# Altium PCB PCB.PcbDoc (part 1 of 3) (continued)
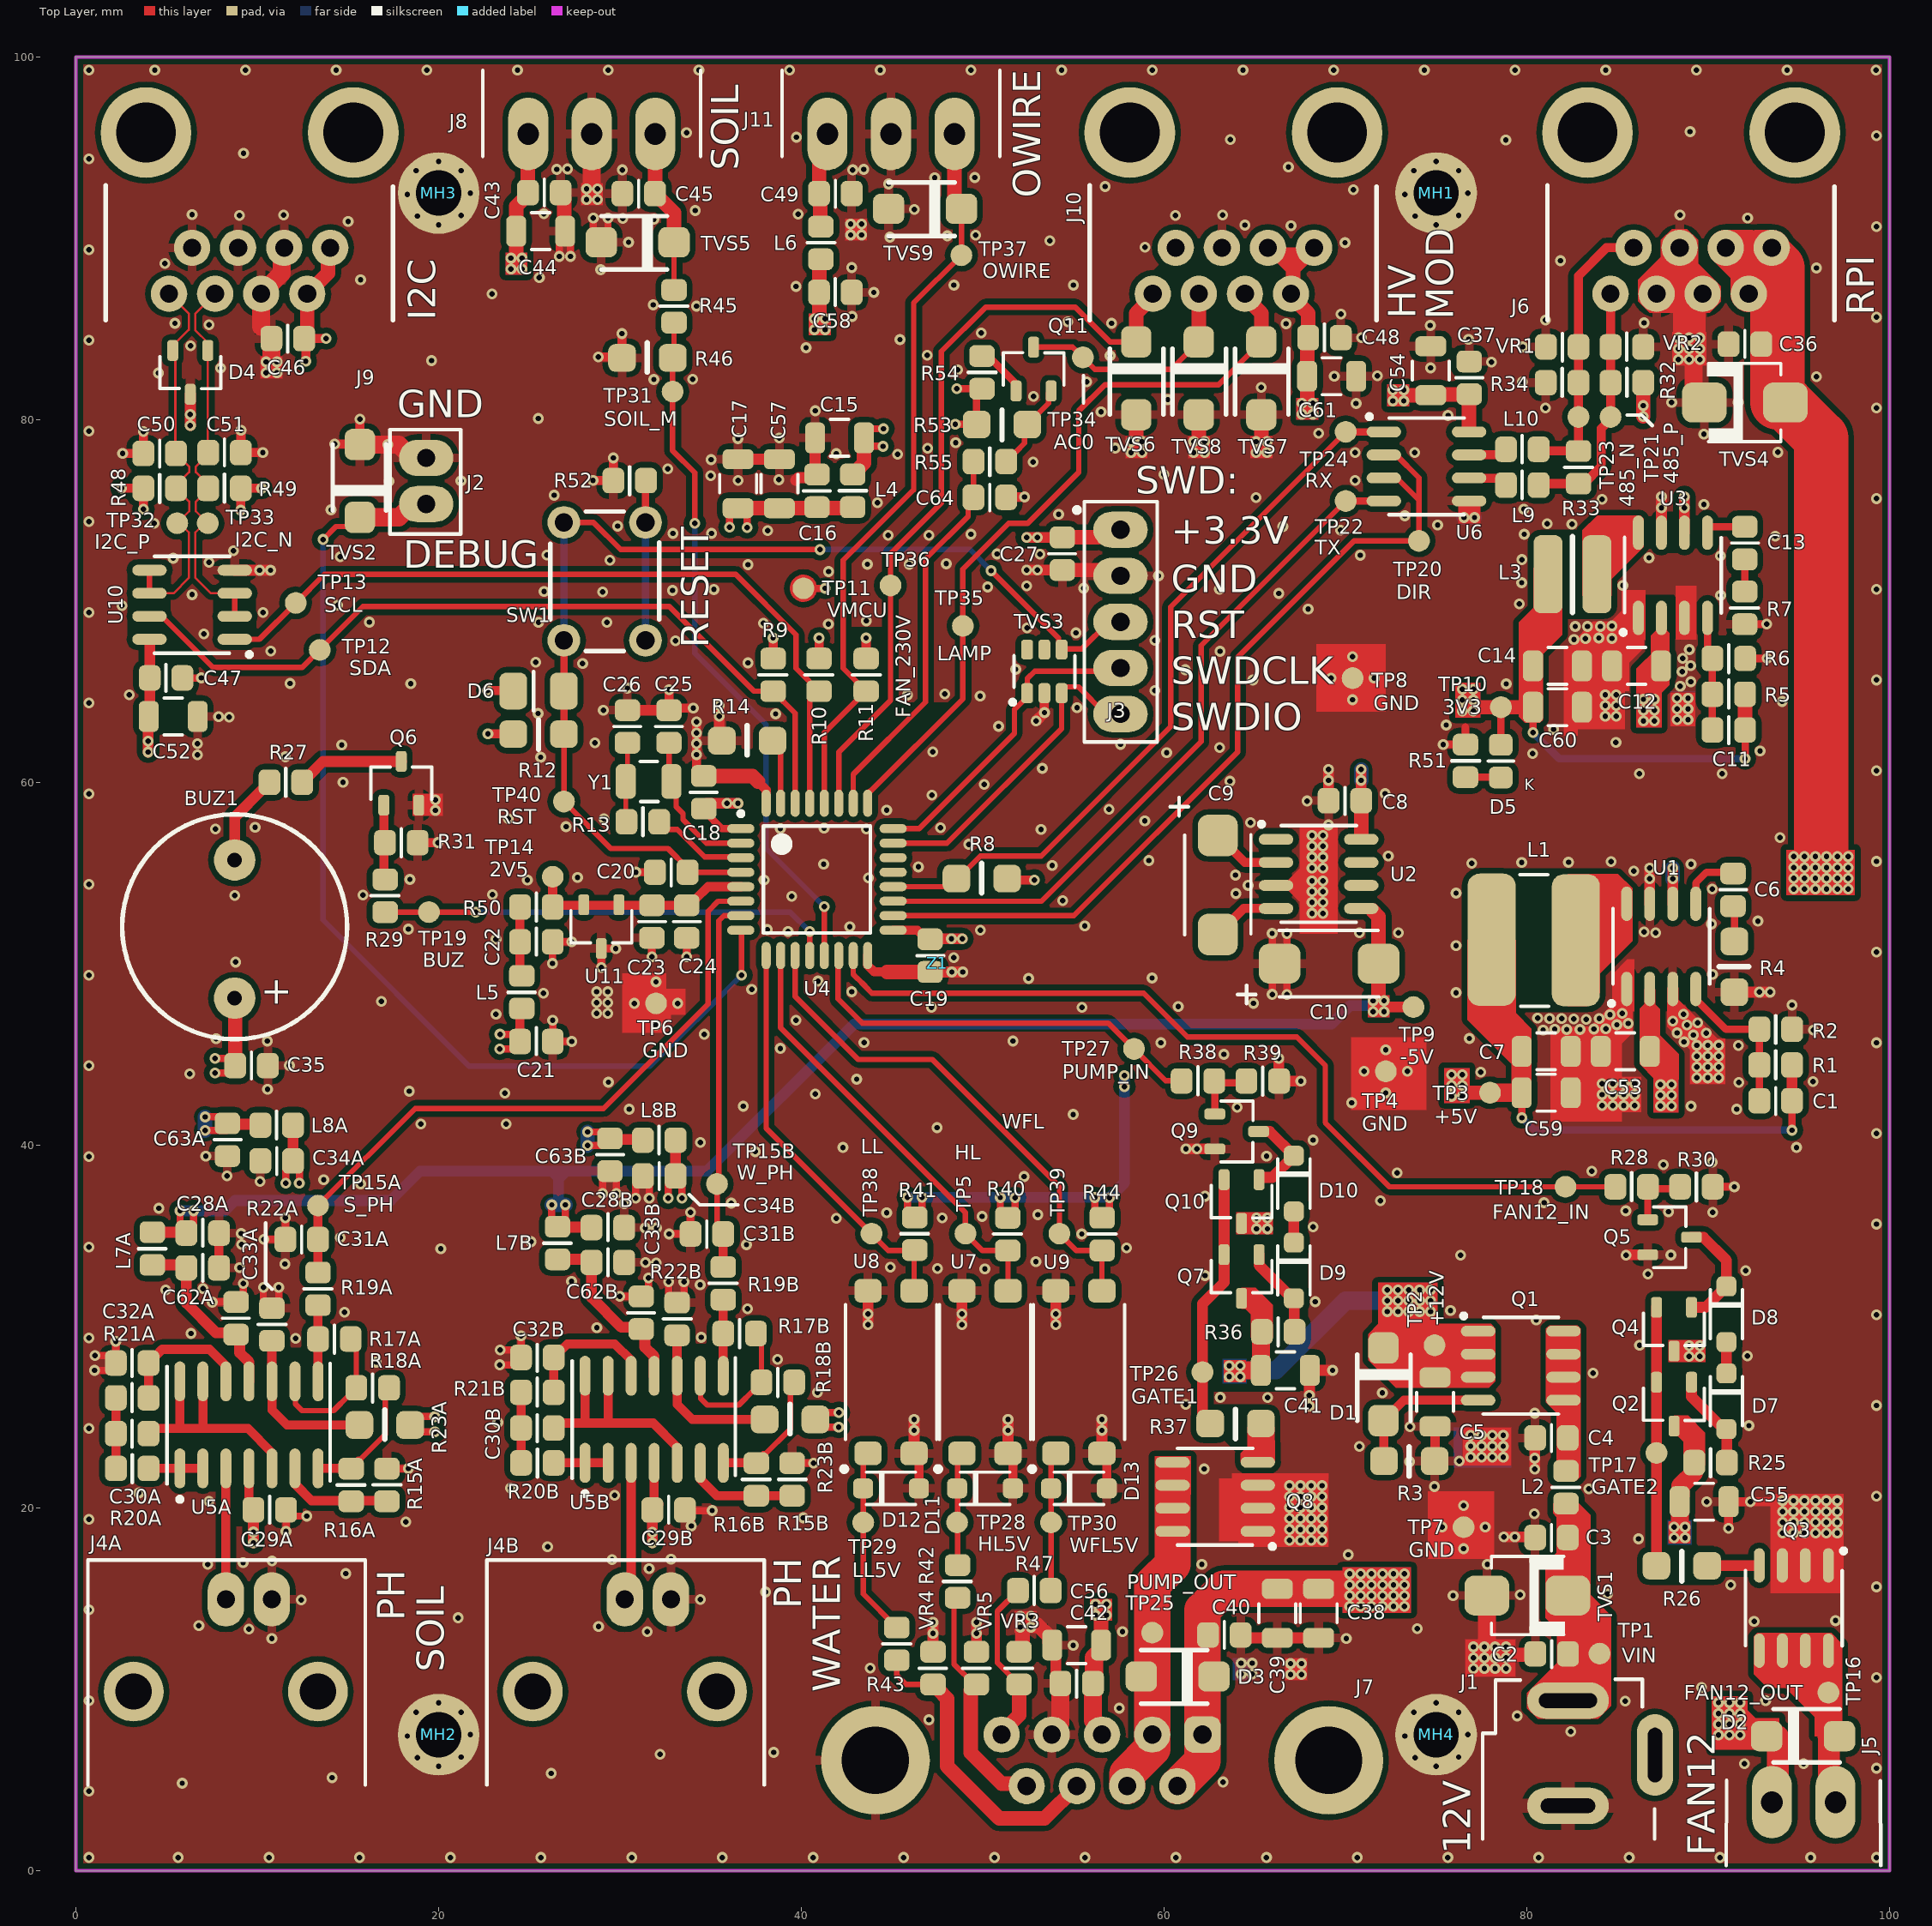
[diagram p0: Top Layer view]
## Design rules (kind name [scope] priority, off if disabled: settings)
Clearance [All] p1: gap=0.3 ignorepadtopadclearanceinfootprint=FALSE except(0.2: Arc-Arc Arc-Track Track-Track)
ComponentClearance [All] p1: gap=0 collisioncheckmode=3 verticalgap=0 showdistances=FALSE
DiffPairsRouting [All] p1: maxlimit=0.35 minlimit=0.25 mostfreqgap=0.25 toplayer_minwidth=0.1 toplayer_maxwidth=0.5 toplayer_prefwidth=0.3 bottomlayer_minwidth=0.1 bottomlayer_maxwidth=0.5 bottomlayer_prefwidth=0.3 maxuncoupledlength=12.7
Height [All] p1: minheight=0 maxheight=40 prefheight=12.7
HoleSize [All] p1: absolutevalues=TRUE maxlimit=3.81 minlimit=0.025 maxpercent=80.000 minpercent=20.000
HoleToHoleClearance [All] p1: gap=0.102 allowstackedmicrovias=TRUE
Length InNet('I2C_SDA') [InNet('I2C_SDA')] p1: maxlimit=80 minlimit=0
MaxMinImpedance "Schematic Impedance Constraint" [InNetClass('120ohm_diff_rs485')] p1: minimum=115,0 maximum=125,0
MinimumSolderMaskSliver [All] p1: minsoldermaskwidth=0.051
PlaneClearance [All] p1: clearance=0.3
PlaneConnect [All] p1: planeconnectstyle=Direct reliefexpansion=0.5 reliefentries=4 reliefconductorwidth=0.25 reliefairgap=0.25
PolygonConnect PolygonConnect_MH [HasFootprint('MH_M2.5')] p1: connectstyle=Direct reliefconductorwidth=0.254 reliefentries=4 polygonreliefangle="90 Angle" airgapwidth=0.254
PolygonConnect PolygonConnect_PowerConnector [HasFootprint('WE_WR_DC_694106301002')] p2: connectstyle=Relief reliefconductorwidth=0.8 reliefentries=4 polygonreliefangle="90 Angle" airgapwidth=0.3
PolygonConnect PolygonConnect_Track [IsTrack] p3: connectstyle=Direct reliefconductorwidth=0.254 reliefentries=4 polygonreliefangle="90 Angle" airgapwidth=0.254
PolygonConnect PolygonVia [IsVia] p4: connectstyle=Direct reliefconductorwidth=0.254 reliefentries=4 polygonreliefangle="90 Angle" airgapwidth=0.254
PolygonConnect [InNet('GND')] p5: connectstyle=Relief reliefconductorwidth=0.5 reliefentries=4 polygonreliefangle="90 Angle" airgapwidth=0.3
RoomDefinition "Power and supply" [InComponentClass('Power and supply')] p1: confinementstyle=ConfineIn formatcopy=TRUE lockcomponents=FALSE outline 31.27,-4.791 95.582,-4.791 95.582,75.803 31.27,75.803
RoomDefinition Irrigation [InComponentClass('Irrigation')] p2: confinementstyle=ConfineIn formatcopy=TRUE lockcomponents=FALSE outline 21.211,-8.804 72.443,-8.804 72.443,104.124 21.211,104.124
RoomDefinition "Differential I2C" [InComponentClass('Differential I2C')] p3: confinementstyle=ConfineIn formatcopy=TRUE lockcomponents=FALSE outline -0.533,62.443 19.075,62.443 19.075,105.435 -0.533,105.435
RoomDefinition boxer_main [InComponentClass('boxer_main')] p4: confinementstyle=ConfineIn formatcopy=TRUE lockcomponents=FALSE outline -22.528,-5.045 117.553,-5.045 117.553,105.089 -22.528,105.089
RoomDefinition STM32F030 [InComponentClass('STM32F030')] p5: confinementstyle=ConfineIn formatcopy=TRUE lockcomponents=FALSE outline 11.407,44.663 59.743,44.663 59.743,80.197 11.407,80.197
RoomDefinition "RS485 & Buzzer & FAN 12V" [InComponentClass('RS485 & Buzzer & FAN 12V')] p6: selectionmemoryflags=1 confinementstyle=ConfineIn formatcopy=TRUE lockcomponents=FALSE outline 1.094,-4.588 100.205,-4.588 100.205,104.124 1.094,104.124
RoomDefinition PHB [InComponentClass('PHB')] p7: selectionmemoryflags=1 confinementstyle=ConfineIn formatcopy=TRUE lockcomponents=FALSE outline 22.532,-18.583 41.887,-18.583 41.887,41.335 22.532,41.335
RoomDefinition PHA [InComponentClass('PHA')] p8: selectionmemoryflags=1 confinementstyle=ConfineIn formatcopy=TRUE lockcomponents=FALSE outline 0.536,-18.583 19.56,-18.583 19.56,42.148 0.536,42.148
RoutingVias [All] p1: holewidth=0.3 width=0.6 viastyle="Through Hole" minholewidth=0.25 minwidth=0.5 maxholewidth=0.3 maxwidth=0.6
SilkToSilkClearance [All] p1: silktosilkclearance=0.1
SilkToSolderMaskClearance [IsPad] p1: minsilkscreentomaskgap=0.2 clearancetoexposedcopper=TRUE
SolderMaskExpansion [All] p1: expansion=0.1
UnRoutedNet [All] p1: checkbadconnections=TRUE
Width [All] p1: maxlimit=5 minlimit=0.2 preferedwidth=0.25 minimp=50.000000 maximp=50.000000 favimp=50.000000
19 further rules are at their usual default settings.

## Classes and differential pairs
component class "Differential I2C": C46 C47 C50 C51 C52 D4 J9 R48 R49 TP32 TP33 U10
channel class boxer_pH: PHA PHB
net class PH_OUT[1..2]: PH_OUT1 PH_OUT2
component class PHB: C28B C29B C30B C31B C32B C33B C34B C62B C63B J4B L7B L8B R15B R16B R17B R18B R19B R20B R21B R22B R23B TP15B U5B
component class "Power and supply": C1 C2 C3 C4 C5 C6 C7 C8 C9 C10 C11 C12 C13 C14 C53 C59 C60 D1 D5 J1 L1 L2 L3 Q1 R1 R2 R3 R4 R5 R6 R7 R51 TP1 TP2 TP3 TP4 TP6 TP7 TP8 TP9 TP10 TVS1 U1 U2 U3
component class STM32F030: C15 C16 C17 C18 C19 C20 C21 C22 C23 C24 C25 C26 C27 C57 D6 J2 J3 L4 L5 R8 R9 R10 R11 R12 R13 R14 R50 R52 SW1 TP11 TP12 TP13 TP14 TP40 TVS2 TVS3 U4 U11 Y1
component class Irrigation: C38 C39 C40 C41 C42 C43 C44 C45 C56 D3 D9 D10 D11 D12 D13 J7 J8 P6 Q7 Q8 Q9 Q10 R36 R37 R38 R39 R40 R41 R42 R43 R44 R45 R46 R47 TP5 TP25 TP26 TP27 TP28 TP29 TP30 TP31 TP38 TP39 TVS5 U7 U8 U9 VR3 VR4 VR5
component class boxer_main: C48 C49 C58 C61 C64 J10 J11 L6 MH1 MH2 MH3 MH4 P7 P9 Q11 R53 R54 R55 TP34 TP35 TP36 TP37 TVS6 TVS7 TVS8 TVS9 Z1
component class PHA: C28A C29A C30A C31A C32A C33A C34A C62A C63A J4A L7A L8A R15A R16A R17A R18A R19A R20A R21A R22A R23A TP15A U5A
component class "RS485 & Buzzer & FAN 12V": BUZ1 C35 C36 C37 C54 C55 D2 D7 D8 J5 J6 L9 L10 Q2 Q3 Q4 Q5 Q6 R25 R26 R27 R28 R29 R30 R31 R32 R33 R34 TP16 TP17 TP18 TP19 TP20 TP21 TP22 TP23 TP24 TVS4 U6 VR1 VR2
net class 120ohm_diff_rs485: RS485_D_N RS485_D_P RS485_N RS485_P
differential pair I2C: +I2C_P -I2C_N
differential pair RS485: +RS485_P -RS485_N
differential pair RS485_D: +RS485_D_P -RS485_D_N

## Components (designator, comment, footprint, x,y, rotation, side; value= is the part's Value field where it differs from the comment)
BUZ1 "BMT-1203UX" "BUZZER 7.6MM" 8.757,52.044 r90 top
C1 "885012207081" C_0805 93.72,42.453 r0 top value=150p
C2 "Capacitor" C_0805 81.367,11.957 r0 top value=100n
C3 "Capacitor" C_0805 81.356,18.371 r0 top value=100n
C4 "Capacitor" C_0805 81.356,23.863 r0 top value=100n
C5 "TME: CL31A226MOCLNNC" C_1206 74.94,25.85 r90 top value=22u
C6 "885012207089" C_0805 91.369,54.084 r90 top value=3n9
C7 "TME: CL31A226MOCLNNC" C_1206 81.067,45.172 r180 top value=22u
C8 "Capacitor" C_0805 69.969,58.997 r0 top value=100n
C9 "TAJC106K016R" C_SMC 62.962,54.349 r270 top value=10u
C10 "TAJC106K016R" C_SMC 69.098,50.012 r0 top value=10u
C11 "885012207081" C_0805 91.133,62.895 r0 top value=150p
C12 "TME: CL31A226MOCLNNC" C_1206 86.047,66.427 r0 top value=22u
C13 "885012207091" C_0805 92.011,73.199 r90 top value=6n8
C14 "TME: CL31A226MOCLNNC" C_1206 81.688,66.427 r180 top value=22u
C15 "Capacitor" C_1206 42.106,79.003 r0 top value=10u
C16 "Capacitor" C_0805 40.861,76.081 r270 top value=100n
C17 "TME: CL31A226MOCLNNC" C_1206 36.512,76.473 r270 top value=10u
C18 "Capacitor" C_0805 34.623,59.457 r270 top value=100n
C19 "Capacitor" C_0805 47.098,50.455 r90 top value=100n
C20 "Capacitor" C_0805 32.826,55.055 r0 top value=100n
C21 "Capacitor" C_0805 25.391,45.721 r180 top value=100n
C22 "Capacitor" C_0805 25.391,51.213 r180 top value=10n
C23 "C0805C105K4RACAUTO" C_0805 31.758,52.332 r90 top value=1u
C24 "Capacitor" C_0805 33.679,52.332 r90 top value=10n
C25 "490-14443-1-ND" C_0805 32.702,63.088 r270 top value=14p
C26 "490-14443-1-ND" C_0805 30.411,63.088 r270 top value=14p
C27 "Capacitor" C_0805 54.392,72.615 r270 top value=100n
C28A "Capacitor" C_0805 6.993,35.156 r180 top value=100n (schematic designator C28)
C28B "Capacitor" C_0805 29.333,35.461 r180 top value=100n (schematic designator C28)
C29A "Capacitor" C_0805 10.688,19.895 r180 top value=100n (schematic designator C29)
C29B "Capacitor" C_0805 32.682,19.889 r180 top value=100n (schematic designator C29)
C30A "Capacitor" C_0805 3.103,24.101 r0 top value=100n (schematic designator C30)
C30B "Capacitor" C_0805 25.444,24.406 r0 top value=100n (schematic designator C30)
C31A "Capacitor" C_0805 12.45,34.804 r0 top value=10n (schematic designator C31)
C31B "Capacitor" C_0805 34.791,35.109 r0 top value=10n (schematic designator C31)
C32A "Capacitor" C_0805 3.103,27.994 r0 top value=100n (schematic designator C32)
C32B "Capacitor" C_0805 25.444,28.298 r0 top value=100n (schematic designator C32)
C33A "Capacitor" C_0805 8.834,30.457 r270 top value=100n (schematic designator C33)
C33B "Capacitor" C_0805 31.174,30.762 r270 top value=100n (schematic designator C33)
C34A "Capacitor" C_0805 11.074,39.135 r0 top value=100n (schematic designator C34)
C34B "Capacitor" C_0805 32.167,38.306 r0 top value=100n (schematic designator C34)
C35 "Capacitor" C_0805 9.683,44.392 r180 top value=100n
C36 "Capacitor" C_0805 92.023,84.169 r180 top value=100n
C37 "Capacitor" C_0805 76.824,82.309 r90 top value=100n
C38 "TME: CL31A226MOCLNNC" C_1206 68.521,14.192 r90 top value=22u
C39 "TME: CL31A226MOCLNNC" C_1206 66.244,14.192 r90 top value=22u
C40 "Capacitor" C_0805 63.322,12.998 r180 top value=100n
C41 "TME: CL31A226MOCLNNC" C_1206 66.685,27.587 r0 top value=10u
C42 "Capacitor" C_0805 55.179,10.323 r0 top value=100n
C43 "Capacitor" C_0805 25.826,92.521 r180 top value=100n
C44 "TME: CL31A226MOCLNNC" C_1206 25.624,90.397 r180 top value=10u
C45 "Capacitor" C_0805 31.03,92.47 r0 top value=100n
C46 "Capacitor" C_0805 11.686,84.474 r0 top value=100n
C47 "Capacitor" C_0805 4.973,65.765 r180 top value=100n
C48 "Capacitor" C_0805 68.844,84.522 r180 top value=100n
C49 "Capacitor" C_0805 41.876,92.47 r0 top value=100n
C50 "Capacitor" C_0805 4.619,78.14 r0 top value=DNI
C51 "Capacitor" C_0805 8.197,78.191 r180 top value=DNI
C52 "Capacitor" C_1206 5.365,63.641 r180 top value=10u
C53 "TME: CL31A226MOCLNNC" C_1206 85.427,45.172 r0 top value=22u
C54 "TME: CL31A226MOCLNNC" C_1206 74.7,82.705 r270 top value=10u
C55 "TME: CL31A226MOCLNNC" C_1206 89.776,20.345 r0 top value=10u
C56 "TME: CL31A226MOCLNNC" C_1206 55.179,12.439 r180 top value=10u
C57 "TME: CL31A226MOCLNNC" C_1206 38.788,76.473 r90 top value=10u
C58 "C0805C105K4RACAUTO" C_0805 41.874,87.023 r180 top value=1u
C59 "TME: CL31A226MOCLNNC" C_1206 81.067,42.895 r180 top value=22u
C60 "TME: CL31A226MOCLNNC" C_1206 81.688,64.15 r180 top value=22u
C61 "Capacitor" C_1206 69.236,82.398 r180 top value=10u
C62A "Capacitor" C_0805 6.993,33.236 r180 top value=100n (schematic designator C62)
C62B "Capacitor" C_0805 29.333,33.54 r180 top value=100n (schematic designator C62)
C63A "Capacitor" C_0805 8.354,40.304 r90 top value=100n (schematic designator C63)
C63B "Capacitor" C_0805 29.447,39.476 r90 top value=100n (schematic designator C63)
C64 "Capacitor" C_0805 50.39,75.722 r0 top value=10n
D1 "MM3Z5V6B" D_SMA 72.095,26.822 r90 top value=5V6
D2 "SS110-TP" D_SMA 95.23,7.418 r180 top
D3 "SS110-TP" D_SMA 60.745,10.712 r0 top
D4 "BAT54A" SOT-23 6.309,82.601 r270 top
D5 "KP-2012LSGC" LED_0805 78.565,61.177 r270 top value=GREEN
D6 "SS110-TP" D_1206 25.512,65.043 r180 top
D7 "FM4001-LGE" SOD123F 91.005,25.883 r90 top
D8 "FM4001-LGE" SOD123F 91.005,30.683 r90 top
D9 "FM4001-LGE" SOD123F 67.157,33.095 r90 top
D10 "FM4001-LGE" SOD123F 67.157,37.886 r90 top
D11 "FM4001-LGE" SOD123F 50.124,21.082 r180 top
D12 "FM4001-LGE" SOD123F 44.944,21.082 r180 top
D13 "FM4001-LGE" SOD123F 55.304,21.082 r180 top
J1 "PWR2.5" WE_WR_DC_694106301002 82.267,-4.22 r180 top locked
J2 "Header 2.54mm" "HEADER 2.54MM 2PIN" 19.314,76.625 r90 top value=HDR2
J3 "Header 2.54mm" "HEADER 2.54MM 5PIN" 57.597,68.854 r270 top value=HDR5
J4A "1-1634612-0" 1-1634612-0 8.267,12.419 r90 top locked (schematic designator J4)
J4B "1-1634612-0" 1-1634612-0 30.267,12.419 r90 top locked (schematic designator J4)
J5 "284512-2" 284512-2 95.267,3.78 r180 top locked
J6 "54601-908WPLF" RJ45_54601-908WPLF 93.506,89.481 r180 top locked
J7 "DS1037-09FNAKT74" DB9 56.577,6.088 r180 top locked
J8 "EBQA-03-D-C" 284512-3 28.441,95.756 r0 top locked
J9 "54601-908WPLF" RJ45_54601-908WPLF 14.026,89.481 r180 top locked
J10 "54601-908WPLF" RJ45_54601-908WPLF 68.266,89.481 r180 top locked
J11 "EBQA-03-D-C" 284512-3 44.941,95.756 r0 top locked
L1 "308-1500-1-ND" L_6.7X6.7MM 80.381,51.314 r180 top value=7u3
L2 "742792031" L_0805 82.158,21.141 r90 top value=300@100M
L3 "732-1008-1-ND" L_3.8X3.8MM 82.517,71.481 r180 top value=4u7
L4 "742792031" L_0805 42.833,76.081 r270 top value=300@100M
L5 "742792031" L_0805 24.589,48.44 r90 top value=300@100M
L6 "742792031" L_0805 41.072,89.746 r270 top value=300@100M
L7A "742792031" L_0805 4.219,34.304 r90 top value=300@100M (schematic designator L7)
L7B "742792031" L_0805 26.56,34.609 r90 top value=300@100M (schematic designator L7)
L8A "742792031" L_0805 11.074,41.106 r0 top value=300@100M (schematic designator L8)
L8B "742792031" L_0805 32.167,40.278 r0 top value=300@100M (schematic designator L8)
L9 "742792031" L_0805 79.752,76.397 r0 top value=300@100M
L10 "742792031" L_0805 79.752,78.368 r0 top value=300@100M
MH1 "Mounting hole" MH_M2.5 75,92.5 r0 top
MH2 "Mounting hole" MH_M2.5 20,7.5 r0 top
MH3 "Mounting hole" MH_M2.5 20,92.5 r0 top
MH4 "Mounting hole" MH_M2.5 75,7.5 r0 top
Q1 "SI4431CDY-T1-GE3" SO8 79.665,27.845 r0 top
Q2 "BC817-40-DIO" SOT-23 88.114,25.713 r270 top
Q3 "IRF8721TRPBF" SO8 94.722,14.484 r270 top
Q4 "BC807-40.215" SOT-23 88.114,29.844 r270 top
Q5 "BC817-40-DIO" SOT-23 87.884,34.925 r0 top
Q6 "BC817-40-DIO" SOT-23 17.943,59.967 r90 top
Q7 "BC817-40-DIO" SOT-23 64.271,32.752 r270 top
Q8 "IRF8721TRPBF" SO8 62.818,20.619 r180 top
Q9 "BC817-40-DIO" SOT-23 64.017,40.759 r0 top
Q10 "BC807-40.215" SOT-23 64.271,36.883 r270 top
Q11 "2N7002-7-F" SOT-23 52.805,82.809 r90 top
R1 "RNCP0805FTD24K9" R_0805 93.72,44.424 r0 top value=24k9
R2 "RNCP0805FTD4K75" R_0805 93.723,46.396 r180 top value=4k75
R3 "Resistor" R_1206 73.518,22.589 r180 top value=10k
R4 "Resistor" R_1206 91.445,49.841 r90 top value=10k
R5 "RNCP0805FTD24K9" R_0805 91.133,64.866 r0 top value=24k9
R6 "RC0805FR-077K87L" R_0805 91.137,66.838 r180 top value=7k87
R7 "RMCF0805FT4K99" R_0805 92.011,69.627 r90 top value=4k99
R8 "Resistor" R_1206 49.947,54.705 r0 top value=10k
R9 "Resistor" R_0805 38.443,65.935 r90 top value=2k2
R10 "Resistor" R_0805 40.973,65.935 r90 top value=2k2
R11 "Resistor" R_0805 43.571,65.935 r270 top value=4k7
R12 "Resistor" R_1206 25.512,62.665 r180 top value=10k
R13 "Resistor" R_0805 31.26,57.835 r0 top value=75R
R14 "Resistor" R_1206 37.013,62.304 r0 top value=10k
R15A "Resistor" R_0805 17.151,21.272 r270 top value=4k7 (schematic designator R15)
R15B "Resistor" R_0805 39.491,21.577 r270 top value=4k7 (schematic designator R15)
R16A "Resistor" R_0805 15.179,21.269 r90 top value=4k7 (schematic designator R16)
R16B "Resistor" R_0805 37.52,21.574 r90 top value=4k7 (schematic designator R16)
R17A "Resistor" R_0805 14.253,29.316 r180 top value=18k (schematic designator R17)
R17B "Resistor" R_0805 36.594,29.621 r180 top value=18k (schematic designator R17)
R18A "Resistor" R_0805 16.362,26.623 r180 top value=15k (schematic designator R18)
R18B "Resistor" R_0805 38.703,26.928 r180 top value=15k (schematic designator R18)
R19A "Resistor" R_0805 13.353,32.081 r90 top value=33R (schematic designator R19)
R19B "Resistor" R_0805 35.694,32.386 r90 top value=33R (schematic designator R19)
R20A "Resistor" R_0805 3.106,22.18 r180 top value=220k (schematic designator R20)
R20B "Resistor" R_0805 25.447,22.485 r180 top value=220k (schematic designator R20)
R21A "Resistor" R_0805 3.103,26.073 r0 top value=220k (schematic designator R21)
R21B "Resistor" R_0805 25.444,26.378 r0 top value=220k (schematic designator R21)
R22A "Resistor" R_0805 10.805,30.118 r270 top value=1k (schematic designator R22)
R22B "Resistor" R_0805 33.146,30.423 r270 top value=1k (schematic designator R22)
R23A "Resistor" R_1206 17.033,24.576 r0 top value=10k (schematic designator R23)
R23B "Resistor" R_1206 39.374,24.88 r0 top value=10k (schematic designator R23)
R25 "Resistor" R_0805 90.132,22.504 r180 top value=2k2
R26 "Resistor" R_1206 88.544,16.815 r180 top value=470
R27 "Resistor" R_0805 11.578,60.013 r180 top value=220
R28 "Resistor" R_0805 85.776,37.709 r0 top value=15k
R29 "Resistor" R_0805 17.057,53.754 r90 top value=15k
R30 "Resistor" R_0805 89.351,37.709 r180 top value=150k
R31 "Resistor" R_0805 17.943,56.686 r180 top value=150k
R32 "Resistor" R_0805 85.516,82.045 r0 top value=3k3
R33 "Resistor" R_0805 82.844,77.376 r270 top value=120
R34 "Resistor" R_0805 81.944,82.045 r0 top value=3k3
R36 "Resistor" R_0805 66.294,29.718 r180 top value=2k2
R37 "Resistor" R_1206 63.941,24.653 r180 top value=470
R38 "Resistor" R_0805 61.865,43.544 r0 top value=15k
R39 "Resistor" R_0805 65.44,43.544 r180 top value=150k
R40 "Resistor" R_0805 51.379,35.101 r90 top value=2k2
R41 "Resistor" R_0805 46.253,35.121 r90 top value=2k2
R42 "Resistor" R_0805 48.616,15.951 r90 top value=2k2
R43 "Resistor" R_0805 45.263,12.508 r90 top value=2k2
R44 "Resistor" R_0805 56.591,35.103 r90 top value=4k7
R45 "Resistor" R_0805 32.981,86.258 r90 top value=2k
R46 "Resistor" R_1206 31.507,83.412 r0 top value=10k
R47 "Resistor" R_0805 52.842,15.444 r0 top value=2k2
R48 "Resistor" R_0805 4.623,76.219 r180 top value=330
R49 "Resistor" R_0805 8.194,76.219 r0 top value=330
R50 "Resistor" R_0805 25.391,53.134 r180 top value=300R
R51 "Resistor" R_0805 76.618,61.192 r270 top value=820
R52 "Resistor" R_0805 30.535,76.648 r180 top value=300R
R53 "Resistor" R_1206 51.064,79.742 r180 top value=10k
R54 "Resistor" R_0805 49.962,82.612 r270 top value=1k
R55 "Resistor" R_0805 50.393,77.694 r180 top value=100R
SW1 "TACT-64N-F" SPST_NO_1301 29.159,71.087 r270 top
TP1 "TEST PAD" PIN 84.009,11.97 r90 top
TP2 "TEST PAD" PIN 74.915,28.971 r90 top
TP3 "TEST PAD" PIN 77.968,42.895 r270 top
TP4 "TEST PAD" PIN 72.222,44.077 r90 top
TP5 "TEST PAD" PIN 49.049,35.128 r90 top
TP6 "TEST PAD" PIN 31.989,47.821 r0 top
TP7 "TEST PAD" PIN 76.515,18.942 r90 top
TP8 "TEST PAD" PIN 70.394,65.754 r90 top
TP9 "TEST PAD" PIN 73.746,47.618 r270 top
TP10 "TEST PAD" PIN 78.571,64.15 r180 top
TP11 "TEST PAD" PIN 40.117,70.707 r0 top
TP12 "TEST PAD" PIN 13.447,67.31 r180 top
TP13 "TEST PAD" PIN 12.126,69.901 r90 top
TP14 "TEST PAD" PIN 26.291,54.801 r90 top
TP15A "TEST PAD" PIN 13.353,36.671 r90 top (schematic designator TP15)
TP15B "TEST PAD" PIN 35.347,37.865 r90 top (schematic designator TP15)
TP16 "TEST PAD" PIN 96.627,9.823 r90 top
TP17 "TEST PAD" PIN 87.149,23.034 r180 top
TP18 "TEST PAD" PIN 82.128,37.709 r270 top
TP19 "TEST PAD" PIN 19.467,52.854 r180 top
TP20 "TEST PAD" PIN 74.051,73.323 r0 top
TP21 "TEST PAD" PIN 84.616,80.156 r0 top
TP22 "TEST PAD" PIN 70.013,75.521 r0 top
TP23 "TEST PAD" PIN 82.848,80.156 r0 top
TP24 "TEST PAD" PIN 70.013,79.331 r0 top
TP25 "TEST PAD" PIN 59.348,13.125 r90 top
TP26 "TEST PAD" PIN 62.117,27.493 r90 top
TP27 "TEST PAD" PIN 58.344,45.311 r90 top
TP28 "TEST PAD" PIN 48.588,19.202 r90 top
TP29 "TEST PAD" PIN 43.409,19.202 r90 top
TP30 "TEST PAD" PIN 53.768,19.202 r90 top
TP31 "TEST PAD" PIN 32.904,81.553 r90 top
TP32 "TEST PAD" PIN 5.588,74.295 r180 top
TP33 "TEST PAD" PIN 7.275,74.295 r180 top
TP34 "TEST PAD" PIN 55.522,83.439 r90 top
TP35 "TEST PAD" PIN 48.905,68.631 r90 top
TP36 "TEST PAD" PIN 44.917,70.866 r90 top
TP37 "TEST PAD" PIN 48.824,89.071 r90 top
TP38 "TEST PAD" PIN 43.869,35.128 r90 top
TP39 "TEST PAD" PIN 54.229,35.128 r90 top
TP40 "TEST PAD" PIN 26.909,58.951 r90 top
TVS1 "SM6T15CA" D_SMB 80.028,15.17 r0 top value=15V
TVS2 "SMAJ5.0ALFCT-ND" D_SMA 15.662,76.625 r270 top value=5V
TVS3 "TPD4E1U06DBVR" SOT23-6 53.401,66.126 r90 top
TVS4 "SM6T15CA" D_SMB 92.022,80.953 r180 top value=15V
TVS5 "SMAJ5.0ALFCT-ND" D_SMA 30.974,89.783 r0 top value=5V
TVS6 "SMAJ5.0ALFCT-ND" D_SMA 58.46,82.287 r90 top value=5V
TVS7 "SMAJ5.0ALFCT-ND" D_SMA 65.36,82.287 r90 top value=5V
TVS8 "SMAJ5.0ALFCT-ND" D_SMA 61.91,82.287 r90 top value=5V
TVS9 "SMAJ5.0ALFCT-ND" D_SMA 46.818,91.627 r0 top value=5V
U1 "NCP3170ADR2G" SO8 87.412,50.963 r90 top
U2 "TC1044SEOA" SO8 68.519,54.959 r0 top
U3 "NCP3170ADR2G" SO8 88.054,71.424 r90 top
U4 "STM32F030K6T6" LQFP-32 40.861,54.655 r0 top
U5A "LMC6044IM/NOPB" SO14 5.733,22.18 r90 top (schematic designator U5)
U5B "LMC6044IM/NOPB" SO14 28.074,22.485 r90 top (schematic designator U5)
U6 "ST3485ECDR" SO8 74.466,77.426 r0 top
U7 "LTV-815S" SO4 50.124,27.493 r180 top
U8 "LTV-815S" SO4 44.944,27.493 r180 top
U9 "LTV-815S" SO4 55.304,27.493 r180 top
U10 "PCA9600D" SO8 6.411,69.799 r180 top
U11 "AP431SAN1TR-G1" SOT-23 28.973,52.042 r270 top
VR1 "AMCV-0805-260-C800N-T" VR_0805 81.948,84.016 r180 top value=26V
VR2 "AMCV-0805-260-C800N-T" VR_0805 85.516,84.016 r0 top value=26V
VR3 "AMCV-0805-260-C800N-T" VR_0805 52.004,11.172 r90 top value=6V
VR4 "AMCV-0805-260-C800N-T" VR_0805 47.259,11.172 r90 top value=6V
VR5 "AMCV-0805-260-C800N-T" VR_0805 49.651,11.172 r90 top value=6V
Y1 "7A-8.000MAAE-T" CFPX_217 31.579,60.061 r180 top value=8MHz
Z1 "Gainta G706" "GAINTA G706" 47.517,50.026 r180 top locked

## Footprints (in the part's own frame and the unit in brackets; to place one, negate y for a bottom-side part, rotate by r counter-clockwise, add the part's x,y. Pads: shape width x height; smd on the part's side, far side on the other; paste and mask are expansions set on the pad)
1-1634612-0 [mm] "Connector; BNC Elbow"
  oval 3x2 hole 1: 1(2.54,0) 2(2.54,-2.54)
  round 3.3 hole 2: 3(-2.54,5.08) 4(-2.54,-5.08)
  silkscreen extent -7.68,-7.69 4.72,7.61, body extent -30.94,-7.35 4.57,7.35, height 15.75
284512-2 [mm] "Terminal Block 3.5mm 2-pin ,11A, 300V"
  oval 2.2x4 hole 1.2: 1(-1.75,0) 2(1.75,0)
  silkscreen extent -4.25,-1.2 4.28,3.5, body extent -4.5,-1.2 4.5,8, height 7.25
284512-3 [mm] "Terminal Block 3.5mm 3-pin ,11A, 300V"
  oval 2.2x4 hole 1.2: 1(-3.5,0) 2(0,0) 3(3.5,0)
  silkscreen extent -6,-1.22 6,3.5, body extent -6.25,-1.2 6.25,8, height 7.25
"BUZZER 7.6MM" [mil]
  round 90 hole 31.5: 1(-155,0) 2(145,0)
  silkscreen extent -244,-244 244,244, body extent -236,-237 236,235, height 374
C_0805 [mm] "Chip Capacitor, Body 2.0x1.3mm, IPC High Density"
  rrect50% 1.2x1.4 smd: 1(-0.9,0) 2(0.9,0)
  silkscreen extent 0,-0.75 0,0.72, body extent -1.01,-0.62 0.99,0.63, height 0.8
C_1206 [mm] "Chip Capacitor, Body 3.2x1.6mm, IPC High Density"
  rrect50% 1.1x1.7 smd: 1(-1.35,0) 2(1.35,0)
  silkscreen extent -0.51,-1.02 0.51,1.02, body extent -1.6,-0.8 1.6,0.8, height 1
C_SMC [mil] "TAJ Series Standard Tantalum"
  rrect50% 90x86 smd: 1(-107.5,0) 2(107.5,0)
  silkscreen extent -109,-72 108,72, body extent -121,-66 120,66, height 106
CFPX_217 [mm] "3.2 x 1.5mm SMD crystal"
  rrect50% 1.1x1.9 smd: 1(-1.257,0) 2(1.257,0)
  silkscreen extent -0.51,-1.09 0.46,1.12, body extent -1.57,-0.76 1.65,0.76, height 0.91
D_1206 [mil]
  rrect50% 60x80 smd: 1(-55,0) 2(55,0)
  silkscreen extent 11,-42 11,43, body extent -66,-34 66,34, height 33
D_SMA [mm]
  rrect50% 1.73x1.67 smd: 1(-2.007,0) 2(2.007,0)
  silkscreen extent -2.01,-1.5 1.63,1.45, body extent -2.55,-1.38 2.45,1.32, height 2.28
D_SMB [mil]
  rrect50% 97x87 smd: 1(-88,0) 2(88,0)
  silkscreen extent -78,-87 82,85, body extent -107,-76 109,77, height 96
DB9 [mm]
  rrect50% 2x2 hole 1: 1(-5.54,-1.42)
  round 2 hole 1: 2(-2.77,-1.42) 3(0,-1.42) 4(2.77,-1.42) 5(5.54,-1.42) 6(-4.155,1.42) 7(-1.385,1.42) 8(1.385,1.42) 9(4.155,1.42)
  round 6 hole 3.7: 10(-12.495,0) 11(12.495,0)
  body extent -15.19,-2.18 15.31,14.52, height 12.45
"GAINTA G706" [mm]
  body extent -69.98,-55 69.98,55, height 26.3
"HEADER 2.54MM 2PIN" [mm]
  oval 2x3 hole 1: 1(-1.27,0) 2(1.27,0)
  silkscreen extent -2.93,-1.9 2.83,2, body extent -2.54,-1.27 2.54,1.27, height 8.57
"HEADER 2.54MM 5PIN" [mm] "Connector; Header; 5 Position"
  oval 2x3 hole 1: 1(-5.08,0) 2(-2.54,0) 3(0,0) 4(2.54,0) 5(5.08,0)
  silkscreen extent -6.63,-2 6.63,2.02, body extent -6.35,-1.27 6.35,1.27, height 8.57
L_3.8X3.8MM [mm] "0.150\" L x 0.150\" W (3.80mm x 3.80mm)"
  rrect50% 1.6x4.3 smd: 1(-1.35,0.002) 2(1.35,-0.002)
  silkscreen extent 0,-2.08 0,2.11, body extent -1.92,-1.89 1.88,1.91, height 1.65
L_6.7X6.7MM [mm] "0.264\" L x 0.264\" W (6.70mm x 6.70mm)"
  rrect50% 2.65x7.3 smd: 1(-2.324,0.013) 2(2.324,-0.013)
  Top Layer pour cut-out: 0.037,2.687 -0.996,2.482 -1.872,1.896 -2.458,1.021 -2.663,-0.013 -2.663,-0.013 -2.458,-1.046 -1.872,-1.922 -0.996,-2.507 0.037,-2.713 0.037,-2.713 1.07,-2.507 1.946,-1.922 2.531,-1.046 2.737,-0.013 2.737,-0.013 2.531,1.021 1.946,1.896 1.07,2.482 0.037,2.687
  silkscreen extent -0.81,-3.61 0.76,3.66, body extent -3.35,-3.35 3.35,3.35, height 2.9
L_0805 [mm] "Chip Inductor Body 2.0x1.2mm, IPC Medium Density"
  rrect50% 1.2x1.4 smd: 1(-0.9,0) 2(0.9,0)
  silkscreen extent -0.01,-0.74 -0.01,0.76, body extent -1.01,-0.63 0.99,0.57, height 0.95
LED_0805 [mm] "LED; SMD; 0805;"
  rrect50% 1.2x1.3 smd: 1(-0.9,0) 2(0.9,0)
  silkscreen extent 0,-0.69 0,0.69, body extent -1,-0.62 1,0.63, height 1.1
LQFP-32 [mm] "Thin QFP, 32-Leads, Body 7x7mm, Pitch 0.8mm, IPC Medium Density"
  oval 1.5x0.5 smd: 1(-4.2,2.8) 2(-4.2,2) 3(-4.2,1.2) 4(-4.2,0.4) 5(-4.2,-0.4) 6(-4.2,-1.2) 7(-4.2,-2) 8(-4.2,-2.8) 17(4.2,-2.8) 18(4.2,-2) 19(4.2,-1.2) 20(4.2,-0.4) 21(4.2,0.4) 22(4.2,1.2) 23(4.2,2) 24(4.2,2.8)
  oval 0.5x1.5 smd: 9(-2.8,-4.2) 10(-2,-4.2) 11(-1.2,-4.2) 12(-0.4,-4.2) 13(0.4,-4.2) 14(1.2,-4.2) 15(2,-4.2) 16(2.8,-4.2) 25(2.8,4.2) 26(2,4.2) 27(1.2,4.2) 28(0.4,4.2) 29(-0.4,4.2) 30(-1.2,4.2) 31(-2,4.2) 32(-2.8,4.2)
  silkscreen extent -4.32,-2.95 2.95,3.75, body extent -4.57,-4.57 4.57,4.57, height 1.62
MH_M2.5 [mm] "M2.5"
  round 4.5 hole 2.5: MH(0,0)
PIN [mm] "Test Pad"
  round 1.2 smd: 1(0,0)
R_0805 [mm] "Chip Resistor, Body 2.0x1.2mm, IPC Medium Density"
  rrect50% 1.2x1.4 smd: 1(-0.9,0) 2(0.9,0)
  silkscreen extent 0,-0.75 0,0.77, body extent -1.16,-0.67 1.14,0.68, height 0.76
R_1206 [mil]
  rrect50% 60x60 smd: 1(-55,0) 2(55,0)
  silkscreen extent 0,-31 0,33, body extent -62,-31 64,32, height 22
RJ45_54601-908WPLF [mm]
  round 2 hole 1: 1(0,0) 2(1.27,2.54) 3(2.54,0) 4(3.81,2.54) 5(5.08,0) 6(6.35,2.54) 7(7.62,0) 8(8.89,2.54)
  round 5 hole 3.3 unplated: MH2(-1.27,-6.35) MH3(10.16,-6.35)
  silkscreen extent -3.45,-3.45 12.37,4, body extent -3.17,-14.28 12.07,3.73, height 12
SO4 [mm] "DIP; 4 Leads; Row Spacing 7.62 mm; Pitch 2.54 mm"
  rrect50% 1.5x1.3 smd: 1(1.27,4.485) 2(-1.27,4.485) 3(-1.27,-4.485) 4(1.27,-4.485)
  silkscreen extent -2.51,-3.72 2.51,3.72, body extent -2.3,-5.11 2.28,5.05, height 4.67
SO8 [mm]
  oval 1.9x0.6 smd: 1(-2.35,1.905) 2(-2.35,0.635) 3(-2.35,-0.635) 4(-2.35,-1.905) 5(2.35,-1.905) 6(2.35,-0.635) 7(2.35,0.635) 8(2.35,1.905)
  silkscreen extent -3.27,-2.67 2.08,2.87, body extent -2.91,-2.45 2.87,2.45, height 1.45
SO14 [mm] "14-Pin Small Outline Integrated Circuit 1.27 mm Pitch, IPC Medium Density"
  oval 2.2x0.6 smd: 1(0,0) 2(0,-1.27) 3(0,-2.54) 4(0,-3.81) 5(0,-5.08) 6(0,-6.35) 7(0,-7.62) 8(4.8,-7.62) 9(4.8,-6.35) 10(4.8,-5.08) 11(4.8,-3.81) 12(4.8,-2.54) 13(4.8,-1.27) 14(4.8,0)
  silkscreen extent -1.83,-8.28 5.79,0.71, body extent -0.68,-8.16 5.46,0.54, height 1.78
SOD123F [mm]
  rrect50% 1.1x1.1 smd: 1(-1.537,0) 2(1.537,0)
  silkscreen extent -1.36,-0.89 1.36,0.89, body extent -1.85,-0.76 1.85,0.79, height 1.35
SOT23-6 [mm] "SOT23, 6-Leads, Body 2.9x1.6mm, Pitch 0.95mm, Lead Span 2.7mm, IPC Medium Density"
  rrect50% 1.1x0.65 smd: 1(-1.2,0.95) 2(-1.2,0) 3(-1.2,-0.95) 4(1.2,-0.95) 5(1.2,0) 6(1.2,0.95)
  silkscreen extent -1.83,-1.68 0.86,1.88, body extent -1.4,-1.48 1.4,1.42, height 1.45
SOT-23 [mm] "SOT23, 3-Leads, Body 2.9x1.3mm, Pitch 0.95mm, Lead Span 2.5mm, IPC Medium Density"
  rrect50% 1.15x0.6 smd: 1(-1.219,0.965) 2(-1.219,-0.965) 3(1.194,0)
  silkscreen extent -0.89,-1.68 0.89,1.68, body extent -1.53,-1.5 1.47,1.5, height 1.3
SPST_NO_1301 [mm] "Micro Switch case 1301"
  round 1.8 hole 1: 1(-3.25,2.25) 2(3.25,2.25) 3(-3.25,-2.25) 4(3.25,-2.25)
  silkscreen extent -3.85,-3.01 3.85,3.01, body extent -3.85,-3 3.85,3, height 4.3
VR_0805 [mm] "Chip Varistor Body 2.0x1.2mm, IPC Medium Density"
  rrect50% 1.2x1.4 smd: 1(-0.9,0) 2(0.9,0)
  silkscreen extent -0.01,-0.74 -0.01,0.76, body extent -1.01,-0.63 0.99,0.57, height 0.95
WE_WR_DC_694106301002 [mm]
  oval 4.5x2 hole 0.8 slot 3.2 at 0 deg: 1(0,-13.6)
  oval 4.5x2 hole 0.8 slot 3 at 0 deg: 2(0,-7.8)
  oval 2x4.5 hole 0.8 slot 3 at 90 deg: 3(-4.8,-10.6)
  silkscreen extent -4.77,-14.77 4.7,-5.97, body extent -4.9,-14.5 4.5,0, height 10.75

## Part data
BUZ1: library part Buzzer
C1 C5 C6 C7 C11 C12 C13 C14 C17 C23 C25 C26 C38 C39 C41 C44 C53 C54 C55 C56 C57 C58 C59 C60: library part Capacitor, "Capacitor"
C9 C10: library part "Capacitor Polar", "Polarized Capacitor"
D1: library part "Diode Zener", "Zener Diode"
D2 D3 D6: library part "Diode Schottky", "Schottky Diode"
D4: library part "Diode Schottky3", "dual Schottky diode common anode"
D5: library part LED, "Typical RED, GREEN, YELLOW, AMBER GaAs LED"
D7 D8 D9 D10 D11 D12 D13: library part Diode, "Diode"
J1: "Low Voltage Power Supply Connector", ComponentLink1Description="Manufacturer Link", ComponentLink1URL=http://domino.kycon.com/internet/Products.html
J2 J5: library part "Header 2", "Header, 2-Pin"
J3: library part "Header 5", "Header, 5-Pin"
J4A J4B: library part BNC, "BNC Elbow Connector"
J6 J9 J10: library part RJ45-8, "RJ45 Socket, 8pin, No Key, Molex MX-95001-2881"
J7: library part DB9, "Receptacle Assembly, 9 Position, Right Angle"
J8 J11: library part "Header 3", "Header, 3-Pin"
L1: library part Inductor, "FIXED IND 7.3UH 2.1A 54 MOHM SMD"
L2 L4 L5 L6 L7A L7B L8A L8B L9 L10: library part FB, "Ferrite Bead"
L3: library part Inductor, "FIXED IND 4.7UH 1.2A 105 MOHM"
MH1 MH2 MH3 MH4: "Mounting hole 2.3mm"
Q1: library part MOSFET-P_SO8, "P-Channel MOSFET"
Q2 Q5 Q6 Q7 Q9: library part NPN, "NPN Bipolar Transistor"
Q3 Q8: library part MOSFET-N_SO8, "N-Channel MOSFET"
Q4 Q10: library part PNP, "PNP"
Q11: library part MOSFET-N, "N-Channel MOSFET"
R1 R2 R5 R6 R7: library part Resistor, "Resistor"
SW1: library part "Switch-PB 4 Pins", "Switch 4 Pins"
TP1 TP2 TP3 TP4 TP5 TP6 TP7 TP8 TP9 TP10 TP11 TP14 TP15A TP15B TP16 TP17 TP18 TP19 TP20 TP21 TP22 TP23 TP24 TP25 TP26 TP27 TP28 TP29 TP30 TP31 TP38 TP39 TP40: library part TEST_PAD, "PAD 1.5mm"
TP12 TP13 TP32 TP33 TP34 TP35 TP36 TP37: library part TEST_PAD
TVS1 TVS2 TVS4 TVS5 TVS6 TVS7 TVS8 TVS9: library part Transil, "Transil"
TVS3: library part "Transil Array_2", "TVS Array"
U1 U3: library part NCP3170, "Synchronous PWM Switching Converter"
U2: library part TC1044S, "Charge Pump DC-TO-DC Voltage Converter"
U4: library part STM32F030C8T6, "Microcontroler ARM; Flash:32kB; 48MHz; SRAM:4kB; LQFP32"
U5A U5B: "CMOS Quad Micropower Operational Amplifier, 14-pin Narrow SOIC"
U6: library part ST485BDR, "RS-422/RS-485 Interface IC Hi-Spd Lo Pwr Trans", ComponentLink1Description="Manufacturer Link", ComponentLink1URL=http://www.ti.com/, ComponentLink2Description=Datasheet, ComponentLink2URL=http://www-s.ti.com/sc/ds/sn75176b.pdf
U7 U8 U9: library part Optocoupler_Darlington, "Optocoupler Darlington NPN"
U10: library part PCA9600, "Dual bidirectional I2C bus buffer"
U11: library part REF_VOLTAGE
VR1 VR2 VR3 VR4 VR5: library part Varistor, "34.5V 20A Varistor 1 Circuit Surface Mount, MLCV 0805 (2012 Metric)"
Y1: library part XTAL, "Crystal Oscillator"
Z1: library part ENCLOSURE

## Via types
v1: diameter 0.6, hole 0.3, Top Layer to Bottom Layer, tented both sides, 1174 vias

## Nets (pads, with @x,y where several pads share a name; then routed paths per layer and width w, separated by ;. In a path a pad name is that pad's centre, name@x,y a point inside that pad or via, vN(x,y) a via of type N, cw(c..) or ccw(c..) an arc to the next point about the centre after c; other vN are vias at no path point)
2V5_VDDA: C23.2 C24.2 R50.1 TP14.1 U4.5 U11.1 U11.2 | length 12.5
  Top Layer w0.5: TP14.1@26.291,54.801 R50.1@26.291,53.134 26.389,53.232 C23.2@31.758,53.232 C24.2@33.679,53.232 33.752,53.232 34.098,53.578 34.176,53.578 34.852,54.255 U4.5@36.661,54.255
+3V3: BUZ1.1 C11.2 C14.2 C15.2 C21.2 C35.2 C37.1 C46.2 C47.2 C52.2 C54.2 C58.2 C60.2 D5.1 J9.1 J9.2 L3.2 L4.1 L5.1 L6.2 R5.2 R40.2 R41.2 R44.2 R48.2 R49.2 R53.2 R54.2 TP10.1 U6.8 U10.8 | length 96.1
  Top Layer w0.4: v1(7.668,43.983) C35.2@8.857,43.983 ; v1(7.677,44.791) 8.783,44.791 C35.2@8.866,44.791 ; v1(23.376,45.311) C21.2@24.565,45.311 ; v1(23.385,46.119) 24.491,46.119 C21.2@24.574,46.119 ; C15.2@43.457,78.537 v1(44.506,78.537) ; C15.2@43.482,79.503 v1(44.531,79.503) ; R41.2@45.844,35.946 v1(45.844,37.135) ; R41.2@46.652,35.937 v1(46.652,37.126) ; v1(48.489,79.757) 49.653,79.757 R53.2@49.667,79.742 49.667,81.417 R54.2@49.962,81.712 v1(48.575,81.712) ; R40.2@50.97,35.927 v1(50.97,37.116) ; R40.2@51.778,35.918 v1(51.778,37.107) ; R44.2@56.182,35.929 v1(56.182,37.118) ; R44.2@56.99,35.919 v1(56.99,37.108) ; D5.1@78.565,62.077 78.565,64.144 TP10.1@78.571,64.15 ; v1(80.338,62.757) C60.2@80.338,64.15 ; v1(92.033,61.309) C11.2@92.033,62.895
  Top Layer w0.5: v1(2.513,76.223) 3.668,76.223 3.723,76.168 v1(3.723,75.076) ; v1(9.09,75.01) 9.09,76.165 9.145,76.219 v1(10.237,76.219) ; v1(12.675,83.227) 12.675,84.474 v1(13.801,84.474) ; C21.2@24.491,45.721 24.491,46.119 24.491,47.442 L5.1@24.589,47.54
  Top Layer w0.6: v1(3.984,61.678) v1(3.984,62.278) 3.984,63.552 4.073,63.641 C47.2@4.073,65.765 U10.8@4.073,67.894 ; C54.2@74.7,81.355 C54.2@74.747,81.401 ; C37.1@76.816,81.401 C37.1@76.824,81.409
  Top Layer w0.8: BUZ1.1@8.757,48.107 8.783,48.082 8.783,44.791 C35.2@8.783,44.392 ; C46.2@12.586,84.474 12.756,84.644 J9.2@12.756,86.941 13.905,88.091 13.905,89.361 J9.1@14.026,89.481 ; C58.2@40.974,87.023 C58.2@41.002,87.051 ; 41.002,85.268 C58.2@41.002,87.051 ; L6.2@41.072,88.846 41.002,88.775 C58.2@41.002,87.051 ; L4.1@42.833,76.981 42.933,76.981 43.133,77.181 43.133,77.281 43.456,77.604 C15.2@43.456,79.003 ; 72.917,81.355 C54.2@74.7,81.355 ; C54.2@74.747,81.401 76.816,81.401 U6.8@76.816,79.444 ; 76.813,64.15 TP10.1@78.571,64.15 C60.2@80.338,64.15 ; C11.2@92.033,62.895 R5.2@92.033,64.866
  Bottom Layer w0.4: v1@56.962,37.135 v1(56.99,37.108) ; v1(80.338,62.757) 81.786,61.309 v1(92.033,61.309)
  Bottom Layer w0.6: v1(45.844,37.135) v1@56.962,37.135 ; v1(56.99,37.108) 57.81,37.929 v1(57.81,43.84)
  other v1: 57.81,43.231 76.448,63.95 77.048,63.95 76.448,64.55 77.048,64.55 76.448,65.144 77.048,65.144 72.612,81.037 73.212,81.037 72.612,81.637 73.212,81.637 40.72,84.963 41.32,84.963 40.72,85.563 41.32,85.563
+3V3_MCU: C16.2 C17.2 C18.2 C19.2 C27.1 C57.1 D6.2 J3.1 L4.2 R8.2 R9.2 R10.2 R11.1 R12.2 TP11.1 U4.1 U4.17 | length 36.5
  Top Layer w0.3: 40.72,70.707 ccw(c40.117,70.707) 40.72,70.707
  Top Layer w0.4: C18.2@34.623,58.557 34.681,58.499 34.681,58.388 35.614,57.455 U4.1@36.661,57.455 ; v1(36.046,74.072) C17.2@36.046,75.122 ; v1(37.012,74.047) C17.2@37.012,75.096 ; TP11.1@40.117,70.707 v1(41.306,70.707)
  Top Layer w0.5: v1(22.692,65.068) 24.09,65.068 D6.2@24.115,65.043 ; v1(22.718,62.68) 24.1,62.68 R12.2@24.115,62.665 ; R9.2@38.443,66.835 v1(38.443,67.964) ; R10.2@40.973,66.835 v1(40.973,67.964) ; R11.1@43.571,66.835 v1(43.571,67.964) ; U4.17@45.061,51.855 46.397,51.855 46.897,51.355 C19.2@47.098,51.355 ; R8.2@51.344,54.629 v1(52.842,54.629)
  Top Layer w0.6: C18.2@34.783,58.855 v1(35.903,58.855) v1(36.503,58.855) ; C19.2@47.153,51.377 v1(48.273,51.377) v1(48.873,51.377) ; v1(52.417,73.515) v1(53.017,73.515) C27.1@54.392,73.515
  Top Layer w0.8: C17.2@36.512,75.123 C57.1@38.788,75.123 42.775,75.123 L4.2@42.833,75.181 ; C27.1@54.392,73.515 56.353,73.515 56.772,73.934 J3.1@57.597,73.934
  Bottom Layer w0.6: v1(35.903,58.855) v1(36.503,58.855) ; v1(48.273,51.377) v1(48.873,51.377) ; v1(52.417,73.515) v1(53.017,73.515)
+3V3_OWIRE: C49.1 J11.1 L6.1 | length 5.3
  Top Layer w0.8: L6.1@41.072,90.646 41.046,90.672 41.046,92.4 C49.1@40.976,92.47 40.98,92.475 40.98,94.016 41.441,94.477 J11.1@41.441,95.756
+5V: C1.2 C7.2 C8.2 C42.2 C43.2 C44.2 C48.2 C56.1 C59.2 C61.2 C63A.2 C63B.2 J7.3 J8.1 J10.1 J10.2 J10.3 L1.2 L8A.1 L8B.1 R1.2 TP3.1 U2.8 | length 64.3
  Top Layer w0.4: v1(7.124,40.811) C63A.2@8.313,40.811 ; v1(7.124,41.562) C63A.2@8.313,41.562 ; v1(28.217,39.982) C63B.2@29.406,39.982 ; v1(28.217,40.733) C63B.2@29.406,40.733 ; C59.2@79.717,42.895 79.734,42.879 v1(79.734,41.516) ; v1(94.62,40.831) C1.2@94.62,42.453
  Top Layer w0.6: C63A.2@8.354,41.204 8.404,41.155 10.125,41.155 L8A.1@10.174,41.106 ; C63B.2@29.447,40.376 29.496,40.327 31.217,40.327 L8B.1@31.267,40.278 ; C8.2@70.869,58.997 v1(70.869,60.118) v1(70.869,60.718) ; C1.2@94.62,42.453 R1.2@94.62,44.424
  Top Layer w0.8: 24.274,88.614 C44.2@24.274,90.397 24.274,91.769 24.926,92.421 C43.2@24.926,92.521 24.926,95.741 J8.1@24.941,95.756 ; C56.1@56.529,12.439 56.529,14.332 ; J10.3@65.726,89.481 65.967,89.481 67.117,88.332 ; 67.886,80.615 C61.2@67.886,82.398 67.886,84.464 C48.2@67.944,84.522 67.944,85.873 66.996,86.821 J10.2@66.996,86.941 67.117,87.062 67.117,88.332 ; J10.1@68.266,89.481 67.117,88.332 ; U2.8@70.869,56.965 C8.2@70.869,58.997 ; 76.21,42.895 TP3.1@77.968,42.895
  Top Layer w1: C56.1@56.529,12.439 56.529,12.139 56.134,11.745 56.134,10.378 C42.2@56.079,10.323 56.079,8.276 56.577,7.778 J7.3@56.577,7.508 ; TP3.1@77.968,42.895 C59.2@79.717,42.895
  Bottom Layer w0.4: v1(79.734,41.516) 80.42,40.831 v1(94.62,40.831)
  Bottom Layer w0.8: v1(7.124,40.811) v1(7.124,41.562) ; v1(28.217,39.982) v1(28.217,40.733) ; v1(70.869,60.118) v1(70.869,60.718)
  other v1: 56.22,14.09 56.82,14.09 56.22,14.69 56.82,14.69 75.845,42.695 76.445,42.695 75.845,43.295 76.445,43.295 75.845,43.889 76.445,43.889 67.604,80.31 68.204,80.31 67.604,80.91 68.204,80.91 23.992,88.309 24.592,88.309 23.992,88.909 24.592,88.909
+5V_PHA: C29A.2 C34A.2 L8A.2 R23A.2 U5A.4 | length 10.9
  Top Layer w0.4: v1(11.569,37.903) C34A.2@11.569,39.092 ; v1(12.32,37.903) C34A.2@12.32,39.092 ; R23A.2@18.603,24.199 v1(19.792,24.199) ; R23A.2@18.603,25.038 v1(19.792,25.038)
  Top Layer w0.5: U5A.4@9.543,22.18 9.543,20.14 C29A.2@9.788,19.895
  Top Layer w0.6: v1(9.788,18.073) v1(9.788,18.673) C29A.2@9.788,19.895 ; C34A.2@11.974,39.135 L8A.2@11.974,41.106